# KiCad board FrontEnd_5G.kicad_pcb (continued)
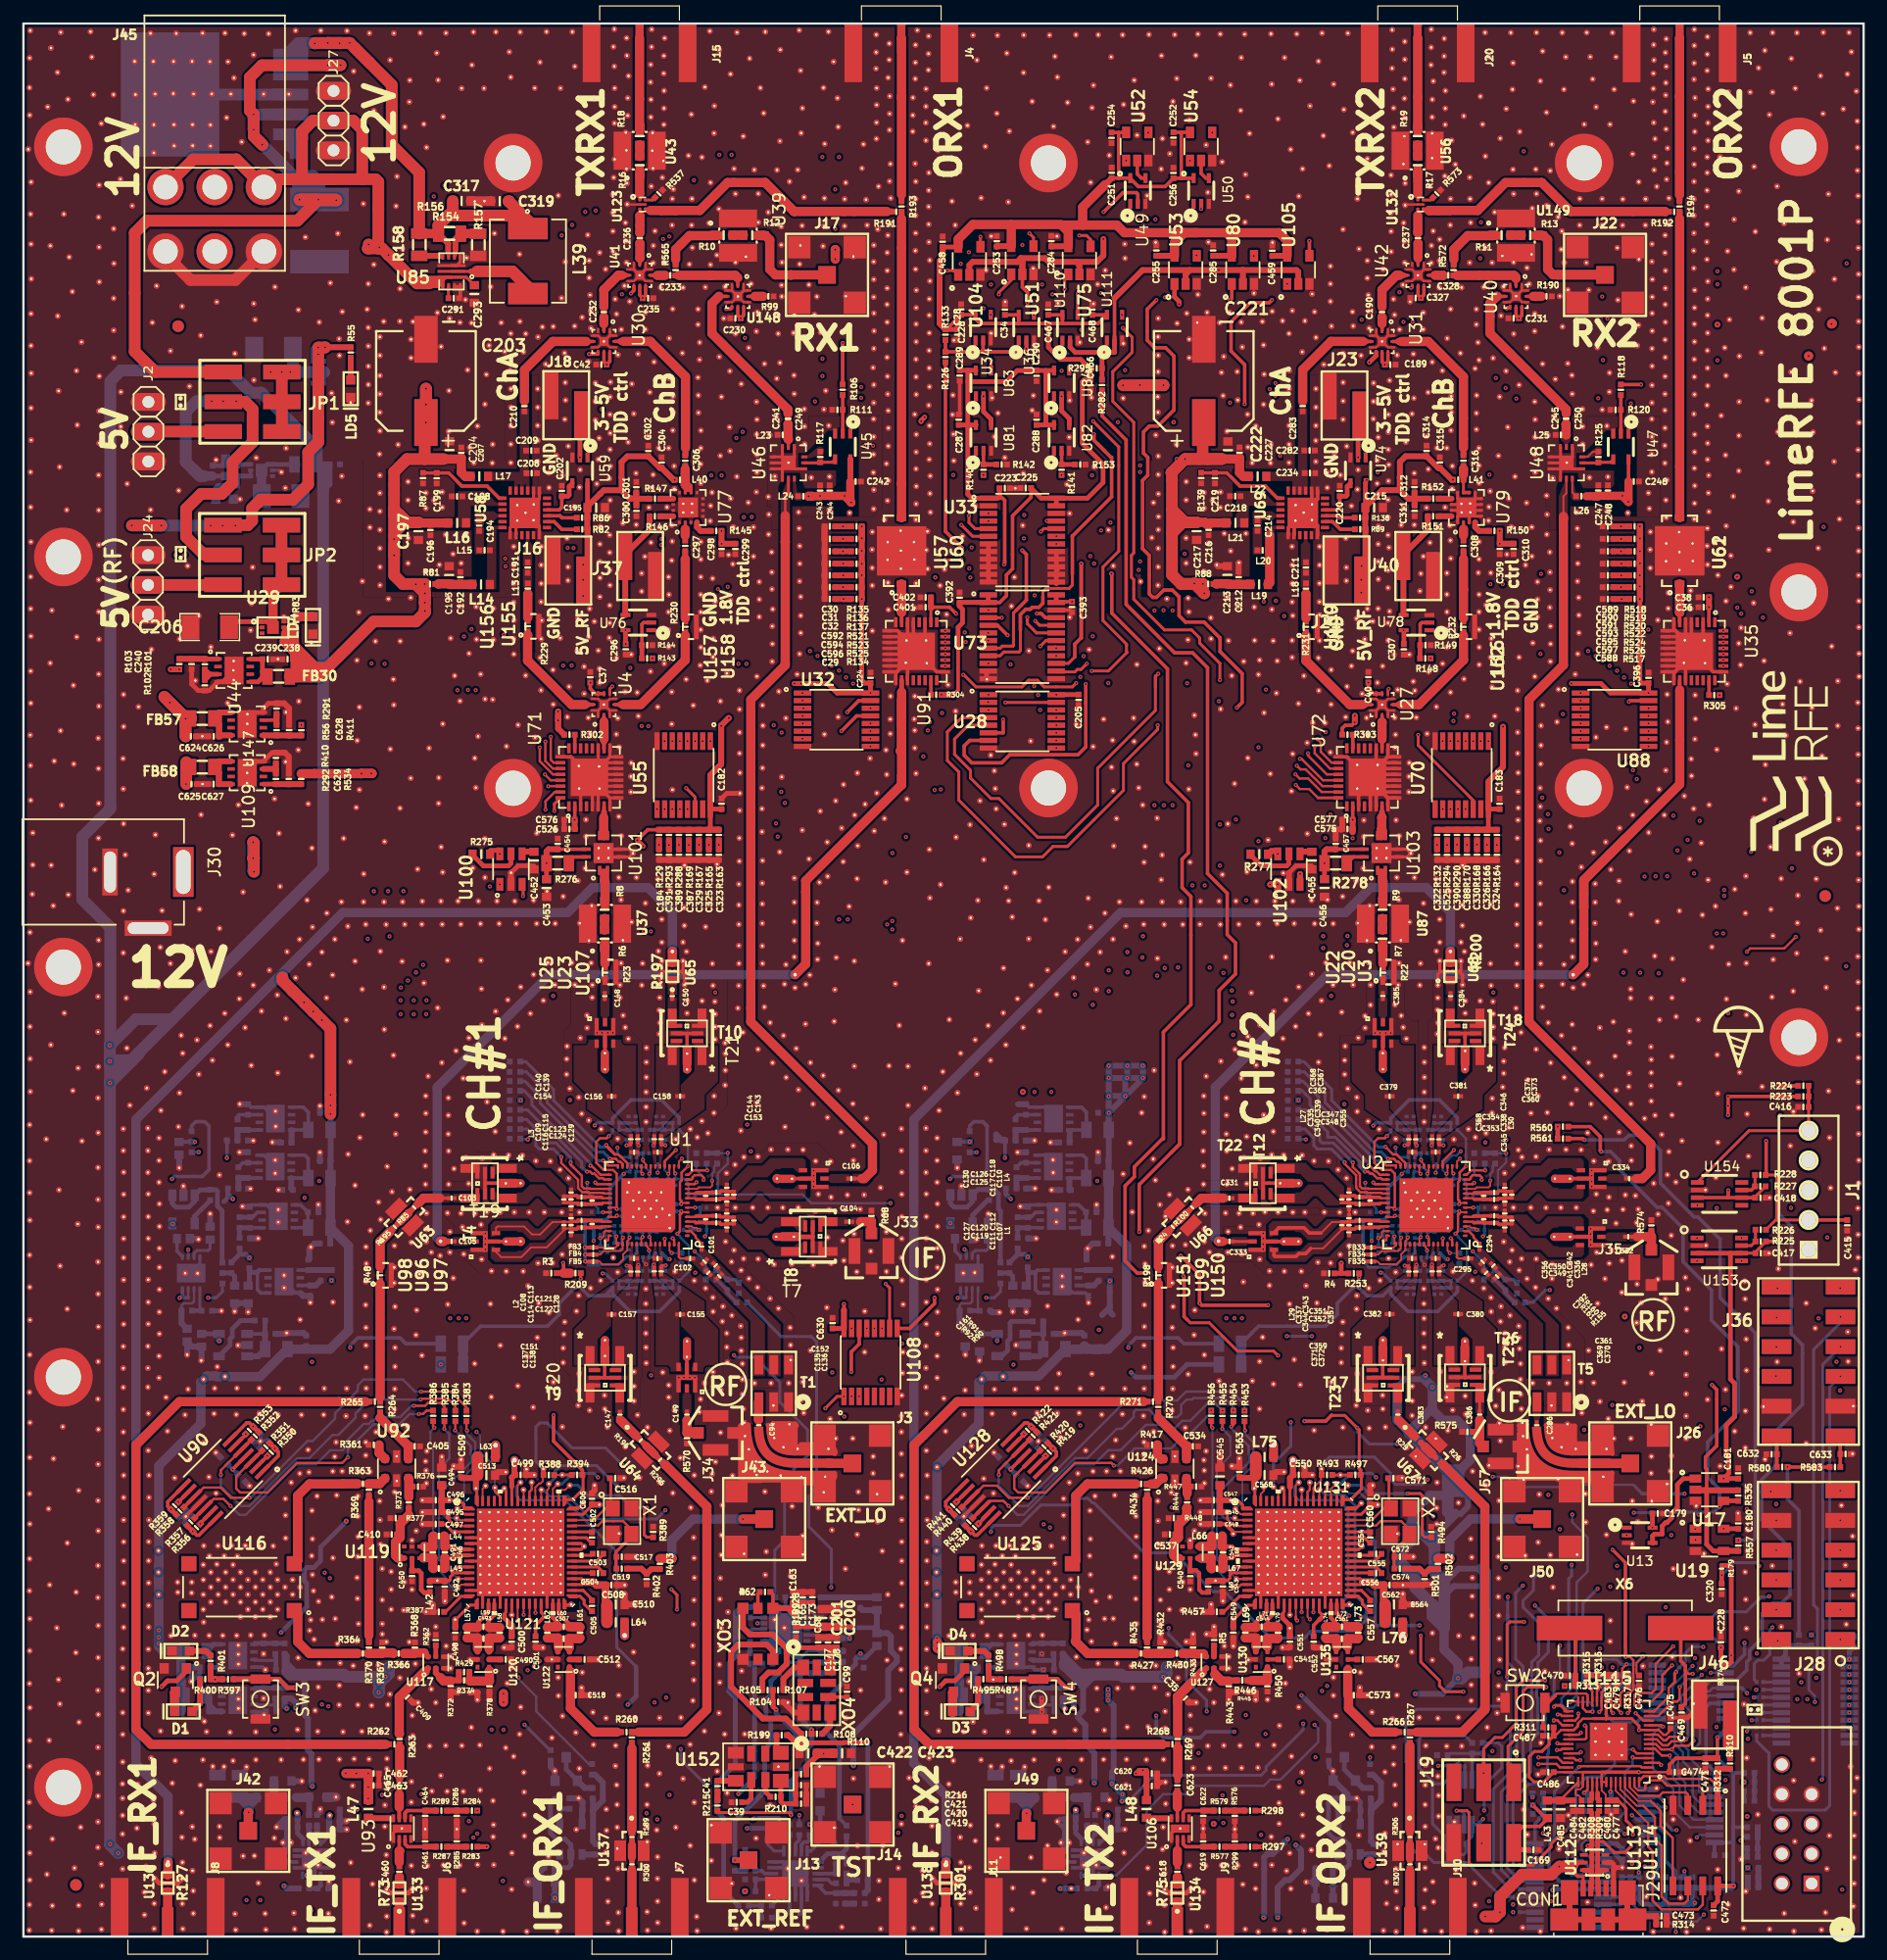
[diagram p0: board, top side]
## Routing (per net, layer and track width the routed paths; a pad name or vN(x,y) marks a point on that pad's centre or on a via; arc(x,y) is an arc through that point) (continued)
+1.25V_PLL_#1: length 67
  F.RO w0.3: v2(47.96,57.62) 47.97,57.61 48.39,57.61 ; v2(47.97,58.19) 47.98,58.2 48.39,58.2 ; v2(47.93,58.82) 47.94,58.81 48.39,58.81
  F.FR4 w0.25: v2(51.26,65.09) 51.88,65.09 52.4,64.57 54.04,64.57 54.16,64.69 v2(54.16,65.19)
  F.FR4 w0.5: 27.4,54.91 43.61,54.91 45,56.3 ; v2(47.96,57.62) 47.29,56.95 46.62,56.95 45.97,56.3 45,56.3 ; 45,56.3 44.13,56.3 42.85,57.58 39.85,57.58 39.22,56.95 38.18,56.95 37.89,57.24 33.14,57.24 32.32,56.42 30.73,56.42 30.54,56.61 28.16,56.61 27.67,56.12 26.19,56.12
  F.FR4 w0.79: 27.4,54.91 26.19,56.12 v2(26.32,55.99)
  B2.RO w0.15: v2(54.16,65.19) 54.19,65.23 FB6.1 ; v2(51.26,65.09) 51.46,65.29 FB15.2
  B2.RO w0.2: FB15.2 FB14.2
  B2.RO w0.25: v2(47.96,57.62) 48.26,57.32 50.8,57.32 51.53,58.05 52.05,58.05 52.37,58.37 FB10.2 52.38,59.08 FB9.2
  B2.RO w0.3: 47.96,58.82 47.96,60.92 48.19,61.15 49.72,61.15 50.11,61.54 50.11,63.92 51.26,65.07 v2(51.26,65.09) ; 47.96,58.82 v2(47.93,58.82) ; 47.96,58.82 v2(47.93,58.82) ; 47.96,58.82 v2(47.93,58.82) ; 47.96,58.82 47.96,58.2 ; v2(47.97,58.19) 47.96,58.2 ; 47.96,58.2 47.97,58.2 47.96,58.2 ; 47.96,58.2 v2(47.96,57.62)
+1.25V_PLL_#2: length 65.1
  F.RO w0.3: v2(114.36,58.82) 114.37,58.81 FB33.1 ; v2(114.4,58.19) 114.41,58.2 FB34.1 ; v2(114.39,57.62) 114.4,57.61 FB35.1
  F.FR4 w0.2: v2(117.7,65.09) 118.33,65.09 118.85,64.57 120.4,64.57 120.6,64.77 v2(120.6,65.19)
  F.FR4 w0.25: 95.37,54.91 94.8,55.48
  F.FR4 w0.5: 111.12,55.74 111.92,56.54 112.63,56.54 113.08,56.99 113.76,56.99 v2(114.39,57.62) ; 111.12,55.74 108.97,57.89 106.59,57.89 105.49,56.79 102.08,56.79 100.2,54.91 99.35,54.91 ; 111.12,55.74 110.29,54.91 99.35,54.91 ; 95.37,54.91 99.35,54.91
  F.FR4 w0.79: v2(92.78,55.95) 94.33,55.95 95.37,54.91
  B2.RO w0.15: v2(117.7,65.09) 117.9,65.29 118.23,65.29 ; v2(120.6,65.19) 120.64,65.23 FB36.1
  B2.RO w0.2: 118.23,65.88 118.23,65.29
  B2.RO w0.25: v2(114.39,57.62) 114.88,57.13 116.6,57.13 116.79,57.32 117.24,57.32 117.97,58.05 118.49,58.05 118.81,58.37 FB40.2 118.82,59.08 FB39.2
  B2.RO w0.3: 92.76,53.92 92.76,53.7 ; v2(117.7,65.09) 117.7,65.07 116.55,63.92 116.55,61.54 116.16,61.15 114.63,61.15 114.4,60.92 114.4,58.86 v2(114.36,58.82) 114.4,58.78 v2(114.4,58.19) 114.4,57.63 v2(114.39,57.62)
  B2.RO w0.5: 92.76,53.7 92.1,53.04 ; 93.02,53.06 92.76,53.32 R571.2
+1.33V_#1: length 39.4
  F.RO w0.3: v2(17.37,66.45) 17.37,66.47
  F.FR4 w0.3: 25.24,64.48 v2(25.25,64.49)
  F.FR4 w0.5: 25.24,64.48 19.62,64.48 17.65,66.45 v2(17.37,66.45)
  B.FR4 w0.3: 25.25,63.44 24.54,62.73 24.54,60.13 25.55,59.12 ; 25.25,63.44 26.08,62.61 26.08,59.65 25.55,59.12 ; 25.25,63.44 v2(25.25,64.49) ; 25.55,59.12 25.56,59.11 25.56,52.61 v2(27.91,50.26)
  B2.RO w0.3: v2(17.37,66.45) 17.38,66.46 R52.2 ; R93.2 32.65,50.6 32.16,51.09 28.55,51.09 27.91,50.45 v2(27.91,50.26)
  B2.RO w0.5: R52.2 17.35,67.97
+1.33V_#2: length 44
  F.RO w0.3: v2(91.84,51.78) 91.85,51.78 91.86,51.77
  F.FR4 w0.3: 91.68,64.48 v2(91.69,64.49) ; v2(91.84,51.78) 92.83,51.78 v2(94.35,50.26)
  F.FR4 w0.5: 91.68,64.48 86.06,64.48 84.09,66.45 v2(83.81,66.45)
  B.FR4 w0.3: 91.69,63.44 92.52,62.61 92.52,59.65 92,59.13 92,58.86 ; 91.69,63.44 90.98,62.73 90.98,60.14 92,59.12 ; 91.69,63.44 v2(91.69,64.49) ; 92,58.86 92,58.78 ; 92,58.86 92,58.77 92,59.12 ; 92,59.12 92,51.94 v2(91.84,51.78)
  B2.RO w0.3: v2(83.81,66.45) 83.82,66.46 R409.2 ; 102.08,50.6 99.09,50.6 98.6,51.09 94.99,51.09 94.35,50.45 v2(94.35,50.26)
  B2.RO w0.4: 83.07,67.98 83.06,67.97 83.06,67.99 ; R409.2 83.44,67.94 83.07,68.31
  B2.RO w0.5: 83.07,67.99 83.06,67.99 83.77,67.99 R409.2 83.77,67.96 83.56,67.96 83.06,68.46 ; 83.07,67.98 83.07,68.34
+3.3V_#1: length 154.6
  F.RO w0.25: v2(37.17,52.77) 37.16,52.77 ; R209.2 v2(47.59,56.14)
  F.FR4 w0.2: 52.88,47.5 51.14,47.5 50.93,47.29 46.46,47.29 40.98,52.77 39.39,52.77 ; 52.88,47.5 53.2,47.5 v2(53.6,47.9) ; 52.88,47.5 52.88,46.75 54.3,45.33 55.29,45.33 55.51,45.55 57.12,45.55 57.37,45.3 59.25,45.3 60.77,46.82 61.72,46.82 62.21,46.33 68.41,46.33 69.61,47.53 v2(73.28,47.53) ; 48.43,56.14 49.11,55.46 49.81,55.46 50.41,56.06 55.72,56.06 56.32,56.66 v2(57.36,56.66)
  F.FR4 w0.25: 39.09,52.77 39.39,52.77 ; 43.51,52.73 43.55,52.77
  F.FR4 w0.3: 43.51,52.73 43.51,52.58 ; 48.43,56.14 v2(47.59,56.14)
  F.FR4 w0.4: 45.47,54.7 43.51,52.73 ; 43.51,52.58 44.19,51.9 44.53,51.9 46.34,53.71 46.34,54.18
  F.FR4 w0.5: 43.55,52.77 v2(37.81,52.77) v2(37.17,52.77) v2(36.44,52.77) 28.92,52.77 28.25,53.44 22.55,53.44 19.29,56.7 v2(19.29,57.93) ; v2(47.59,56.14) 46.92,56.14 45.47,54.7 45.83,54.7 46.48,54.04 48.56,54.04 50.58,56.06 55.97,56.06 56.57,56.66 57.3,56.66
  B.FR4 w0.2: v2(60.14,66.88) 59.42,66.16 59.42,64.18 57.89,62.65 57.89,61.66 57.6,61.37 57.68,61.45 57.18,60.95 57.18,59.46 57.95,58.69 57.95,58.08 57.36,57.49 v2(57.36,56.66)
  B.FR4 w0.25: v2(73.28,47.53) 74.29,48.54 74.29,62.34 v2(74.04,62.59)
  B2.RO w0.2: v2(74.04,62.59) 67.27,62.59 66.53,63.33 59.29,63.33 ; 59.29,63.33 59.29,65.12 60.14,65.97 v2(60.14,66.88) 60.12,66.86 R211.2 ; 59.29,63.33 R1.2
  B2.RO w0.4: 18.46,58.23 R54.2 ; 18.46,58.23 18.99,58.23 v2(19.29,57.93) ; 18.46,58.23 R425.2 ; R207.2 R211.2
+3.3V_#2: length 85.5
  F.RO w0.25: R253.2 v2(114.05,56.24)
  F.FR4 w0.2: 114.7,56.24 115.52,55.42 116.1,55.42 116.72,56.04 122.84,56.04
  F.FR4 w0.4: 111.83,54.61 113.47,56.24 v2(114.05,56.24) 114.7,56.24 ; 111.83,54.61 110,52.77 ; 111.83,54.61 111.83,54.43 113.45,52.81 115.13,52.81 116.94,54.62 121.4,54.62 122.82,56.04 116.72,56.04 ; 122.84,56.04 123.54,56.74 v2(123.97,56.74)
  F.FR4 w0.5: 110,52.77 v2(104.05,52.77) v2(103.41,52.77) v2(102.72,52.77) 99.79,52.77 99.42,53.14 94.99,53.14 93.28,54.85 89.89,54.85 89.46,54.42 88.01,54.42 85.76,56.67 v2(85.76,58.01)
  B.FR4 w0.2: v2(126.6,66.85) 125.88,66.13 125.88,64.15 124.38,62.65 124.38,61.82 123.6,61.04 123.6,59.48 124.32,58.76 124.32,57.87 123.97,57.52 v2(123.97,56.74)
  B2.RO w0.2: R130.2 125.91,63.33 125.91,65.38 126.6,66.07 v2(126.6,66.85) 125.68,66.85 R255.2
  B2.RO w0.4: 84.9,58.23 85.54,58.23 85.8,57.97 ; 84.9,58.23 R365.2 ; 84.9,58.23 R412.2 ; R251.2 R255.2
+3.3V_CLKGEN_#1: length 104.8
  F.FR4 w0.25: 61.18,43.31 62.12,43.31 62.29,43.15 64.59,43.15 64.77,42.97 68.71,42.97 70.09,44.34 v2(70.09,44.39) ; 61.18,43.31 61.16,43.3 ; 61.18,43.31 60.55,43.31 59.94,43.93 54.63,43.93 53.46,45.09 52.21,45.09 51.56,44.45 49.55,44.45 49.38,44.28 48.02,44.28 47.51,44.78 46.64,44.78 43.59,47.83 19.73,47.83 v2(16.72,50.84)
  B.FR4 w0.25: 70.09,41.17 70.32,40.94 70.32,33.23 72.05,31.5 72.05,24.75 v2(71.47,24.17) ; 70.09,41.17 70.08,41.18 ; 70.09,41.17 v2(70.09,44.39) 69.06,45.42 v2(69.06,48.15)
  B2.RO w0.3: R201.1 69.68,10.07
  B2.RO w0.4: C66.1 15.22,51.43 16.69,51.43 ; FB29.1 71.92,23.84 C159.2 ; 71.05,23.7 71.19,23.84 C159.2 ; 71.05,23.7 71.07,23.7 71.48,24.11 ; 71.05,23.7 71.05,23.24 70.03,22.22 70.03,21.71 68.63,20.31 68.63,17.33 69.68,16.28 69.68,10.07 ; C159.2 71.48,24.11 ; v2(71.47,24.17) 71.47,24.12 71.48,24.11
  B2.RO w0.5: v2(16.72,50.84) 16.69,50.87 16.69,51.43
+3.3V_CLKGEN_#2: length 2.2
  B2.RO w0.3: 81.66,51.43 C614.1
  B2.RO w0.4: 83.13,51.43 81.66,51.43 ; U145.5 v2(83.15,50.84)
  B2.RO w0.5: 83.23,51.33 83.13,51.43
+3.3V_SC1905_#1: length 225.6
  F.RO w0.15: 46.01,39.4 46,39.39 R388.2 ; 41.93,40.66 42,40.59 C499.2
  F.RO w0.2: 43.74,26.58 43.75,26.58 43.73,26.56 ; C497.1 35.69,35.18
  F.RO w0.25: 41.7,38.39 41.7,37.18 U121.58 ; 46,39.39 46.01,39.4 R394.2 ; 36.87,27.06 36.92,27.06 38.15,28.29 38.71,28.29 U121.17 ; 41.7,27.45 41.7,28.4 U121.23 ; v2(44.44,27.43) 44.21,27.66 U121.28 ; C497.1 35.98,35.21 36.7,34.49 36.83,34.49 ; U121.5 36.84,34.54 36.83,34.55 36.83,34.56
  F.RO w0.3: v2(17.87,39.86) 17.87,39.89 U90.4 ; 43.75,26.58 44.44,27.27 v2(44.44,27.43) ; C501.1 43.73,26.56
  F.RO w0.4: v2(45.38,3.28) 45.39,3.27 ; 41.7,38.38 41.7,39.17
  F.RO w0.5: R401.2 R400.2 16.37,21.97 ; 16.37,21.97 17.01,21.97 R397.2 ; 16.37,21.97 v2(16.37,21.93) ; 16.37,21.97 v2(16.37,21.93) ; 16.37,21.97 v2(16.37,21.93)
  F.RO w0.51: 41.7,39.17 41.93,39.4 C499.2 41.93,39.47 41.93,40.66 ; 36.87,27.06 C498.1
  F.FR4 w0.15: 41.93,40.66 43.27,40.66
  F.FR4 w0.3: 44.31,27.85 44.31,27.56 v2(44.44,27.43) 44.76,27.11 45.4,27.11
  F.FR4 w0.4: 26.37,25.82 25.88,25.33 25.88,24.22 ; 29.08,27.57 29.31,27.34 31.07,27.34 31.33,27.08 36.85,27.08 36.87,27.06 ; 30.87,30.34 31.58,30.34 33.12,31.88 37.96,31.88 38.01,31.93 ; 44.31,27.85 44.31,28.39 44.11,28.59 41.9,28.59 41.7,28.39 41.7,27.45 ; 26.16,10.34 26.16,8.92 27.43,7.65 37.61,7.65 v2(38.75,8.79) ; 46.02,39.39 46.01,39.4 46.8,39.4 48.51,37.69 49.69,37.69 50.34,37.04 50.34,36.82 49.65,36.13 49.65,28.15 48.61,27.11 45.4,27.11 ; 23.37,10.55 23.37,10.63
  F.FR4 w0.46: 41.67,27.46 41.69,27.46
  F.FR4 w0.5: 41.67,27.46 40.43,27.46 40.04,27.07 36.86,27.07 ; v2(16.37,21.93) 16.41,21.97 20.5,21.97 21.91,20.56 21.91,20.03 v2(22.48,19.46) ; 26.16,10.34 25.62,9.8 24.12,9.8 23.37,10.55 ; 25.62,19.81 26.04,20.23 v2(26.04,19.65) 25.78,19.65 25.62,19.81 ; 25.62,19.81 v2(25.49,19.81) ; 27.01,26.09 27.83,26.92 27.83,27.31 ; 37.99,34.58 37.99,34.49 36.83,34.49 ; 26.56,30.2 27.04,29.72 26.56,30.2 ; 26.56,30.2 25.73,31.03 v2(25.73,31.05) 26.18,30.6 v2(26.18,30.58) 27.23,29.53
  F.FR4 w0.51: 46,39.4 46,40.04 45.38,40.66 39.01,40.66 37.5,39.15 37.5,37.36 38.01,36.85 38.01,34.58 ; 38.01,34.58 38.01,27.07 ; 38.01,34.58 37.99,34.58
  F.FR4 w0.79: 25.88,24.22 25.9,24.22 25.75,24.37 ; v2(22.48,19.46) 23.19,19.46 v2(23.25,19.52) 24.34,20.61 24.34,23.67 25.04,24.37 25.75,24.37 ; 25.75,24.37 25.88,24.24 25.88,25.33 26.64,26.09 27.6,26.09 27.76,26.25 27.76,26.73 27.7,26.78 27.76,26.84 27.76,27.23 28.13,27.6 ; 30.15,30.34 29.51,29.7 29.51,27.64 29.55,27.6 29.97,27.6 28.6,27.6 ; 30.15,30.34 29.55,29.74 27.44,29.74 27.23,29.53 ; 30.15,30.34 30.87,30.34 ; 28.6,27.6 28.59,27.59 ; 28.6,27.6 28.13,27.6 ; 28.13,27.6 27.23,28.5 ; 26.04,20.23 26.04,21.97 26.11,22.04 26.11,24.01 ; 27.23,28.5 27.61,28.12 27.61,26.69 ; 27.23,28.5 27.23,29.53 ; 27.23,29.53 27.04,29.72
  F.FR4 w1: 25.88,24.24 26.11,24.01
  B.FR4 w0.3: v2(17.87,39.86) 17.7,39.69 17.7,38.13 18.15,37.68 18.17,37.68
  B.FR4 w0.4: v2(38.75,8.79) 37.96,8 37.96,4.85 39.53,3.28 v2(45.38,3.28) ; 20.92,34.61 22.54,32.99
  B.FR4 w0.5: 18.17,37.68 20.92,34.93 20.92,34.61 ; 26,19.65 25.65,19.65 v2(25.49,19.81) 25.53,19.81 ; 26,19.65 v2(26.04,19.65) ; 26,19.65 v2(26.04,19.65) ; v2(38.42,8.45) 38.75,8.78 v2(38.75,8.79) ; v2(26.04,19.65) 25.88,19.81 25.53,19.81 ; v2(26.04,19.65) 26.04,19.34 ; 25.53,19.81 26.04,19.3 26.04,17.86 26.04,17.86 ; 23.73,31.72 25.04,31.72 v2(26.18,30.58) ; 23.73,31.72 22.54,32.91 22.54,32.99 ; 23.73,31.72 25.06,31.72 v2(25.73,31.05) ; v2(26.18,30.58) 26.18,30.6 v2(25.73,31.05) ; v2(26.18,30.58) 25.73,31.03 v2(25.73,31.05)
  B.FR4 w0.79: 26.04,16.67 26.09,16.62 26.09,13.69 27.81,11.97 27.81,11.42 26.73,10.34 26.16,10.34 ; 26.04,16.67 v2(26.04,19.65) ; 26.04,16.67 26.04,19.34
  B2.RO w0.3: C398.2 17.46,40.27 v2(17.87,39.86) 17.89,39.86 C397.2 ; IC1.1 23.88,8.33 23.87,8.34 23.89,8.34 ; IC1.4 25.41,8.05 25.56,8.05 26.1,8.59
  B2.RO w0.4: 23.89,8.34 23.87,8.34 23.41,8.8 C522.1 C520.1 ; R379.1 45.37,11.8 45,11.43 45,8.84 45.52,8.32 46.25,8.32 46.75,7.82 U118.2 46.76,7 46.76,6.11 46.53,5.88 C408.2 ; C523.2 26.1,8.59
  B2.RO w0.5: C520.1 23.41,10.51 23.37,10.55 ; v2(22.48,19.46) 22.31,19.63 R46.2 22.89,20.32 23.25,19.96 v2(23.25,19.52) ; 26.16,10.34 26.1,10.28 C521.2 C523.2 ; v2(45.38,3.28) C407.2 45.37,4.65 C408.2
+3.3V_SC1905_#2: length 223.3
  F.RO w0.15: 108.4,40.67 108.4,39.35 108.15,39.1 U131.58 ; U131.5 103.29,34.54
  F.RO w0.25: 108.14,38.39 108.15,38.38 U131.58 ; 103.31,27.08 103.37,27.08 104.57,28.28 105.13,28.28 105.15,28.3 U131.17 ; R497.2 113.27,39.39 111.77,39.39 R493.2 ; 108.14,27.45 108.14,28.4 U131.23 ; v2(111.03,27.41) 110.95,27.41 110.65,27.71 U131.28 ; v2(92.62,21.09) v2(92.62,21.09) ; v2(93.33,12.68) 93.33,12.67
  F.RO w0.3: 110.68,27.07 110.17,26.56 C552.1 ; C548.1 102.6,35.21 102.68,35.13 102.7,35.13 103,34.83 ; 103,34.83 103.3,34.53 103.3,34.38 ; 103,34.83 103.29,34.54 ; U128.4 84.32,39.9
  F.RO w0.4: 84.32,39.9 v2(84.32,39.87) ; 110.68,27.07 110.69,27.07 v2(111.03,27.41)
  F.RO w0.5: v2(111.82,4.65) 111.83,4.65 ; v2(101.64,9.62) 101.65,9.62 ; R487.2 82.84,21.96 82.81,21.93 82.77,21.97 R495.2 R498.2
  F.RO w0.51: 108.4,40.68 108.4,39.45 C550.2 108.41,39.4 108.15,39.14 108.15,38.38 ; 103.31,27.08 C549.1
  F.FR4 w0.2: v2(93.86,12.13) 93.46,12.53
  F.FR4 w0.3: 103.29,34.31 103.73,33.87 ; 103.73,33.87 104.46,33.87 ; 103.73,33.87 103.3,34.3 103.3,34.38
  F.FR4 w0.4: 90.78,23.52 94.6,27.34 97.51,27.34 97.77,27.08 103.31,27.08 ; 97.29,30.34 98.02,30.34 99.56,31.88 104.46,31.88 ; 108.14,27.45 108.14,28.32 108.31,28.49 110.83,28.49 111.11,28.22 111.11,27.49 v2(111.03,27.41) 111.43,27.41 113.36,29.34 115.26,29.34 116.09,30.17 116.09,36.13 116.78,36.82 116.78,37.04 116.13,37.69 114.95,37.69 113.25,39.39 112.46,39.39 ; 92.32,24.38 92.32,24.46 ; 89.85,10.81 89.98,10.81 90.39,11.22 90.39,11.23 92.23,13.06 92.23,13.06 92.57,13.06 92.96,13.05 v2(93.33,12.68) 93.46,12.53 v2(93.86,12.13)
  F.FR4 w0.46: 108.14,27.45 108.14,27.46
  F.FR4 w0.5: 88.98,19.52 88.92,19.46 88.35,20.03 88.35,20.57 88.34,20.57 86.94,21.97 83.39,21.97 ; 83.39,21.97 82.85,21.97 82.81,21.93 ; 83.39,21.97 83.38,21.97 ; v2(93.81,11.56) 95.94,11.56 97.47,10.03 101.17,10.03 101.58,9.62 v2(101.64,9.62) ; 92.89,30.31 93.52,29.69 92.89,30.31 ; 92.89,30.31 92.24,30.96 92.24,34.41 91.74,34.91 v2(87.66,34.91) 87.39,34.91 v2(87.12,35.18) ; v2(93.33,12.68) 93.32,12.68 v2(92.95,13.05) 92.96,13.03 v2(93.33,12.68) ; v2(93.33,12.68) 93.33,12.66 v2(93.86,12.13) 93.86,11.61 ; 108.4,40.67 108.42,40.65 ; 92.32,24.38 92.36,24.38 92.62,24.12 v2(92.62,21.09) v2(92.62,20.6) v2(92.62,20.16)
  F.FR4 w0.51: 104.46,27.08 106.49,27.08 106.86,27.45 108.14,27.45 ; 104.46,27.08 103.31,27.08 ; 104.46,27.08 104.46,36.85 103.95,37.36 103.95,39.15 105.47,40.67 108.4,40.67
  F.FR4 w0.79: 94.2,27.44 94.2,26.26 94.03,26.09 92.99,26.09 92.32,25.42 92.32,24.46 92.23,24.37 91.48,24.37 90.78,23.67 90.78,20.61 89.69,19.52 88.98,19.52 ; 94.2,27.44 94.36,27.6 95.77,27.6 ; 94.2,27.44 94.2,27.62 93.87,27.95 93.87,29.25 ; 95.77,27.6 96.41,27.6 ; 95.77,27.6 95.95,27.78 95.95,29.7 96.59,30.34 ; 96.59,30.34 95.97,29.72 94.42,29.72 94.4,29.7 94.32,29.7 93.87,29.25 ; 96.59,30.34 97.29,30.34 ; 93.87,29.25 93.87,29.33 93.52,29.69
  B.FR4 w0.3: v2(84.32,39.87) 84.14,39.69 84.14,38.15 84.61,37.68
  B.FR4 w0.5: 87.39,34.91 v2(87.12,35.18) ; 87.39,34.91 v2(87.66,34.91) 87.39,34.91 ; 87.39,34.91 v2(87.12,35.18) ; v2(87.12,35.18) 86.65,35.65 86.64,35.65 84.61,37.68 ; v2(101.64,9.62) 101.64,3.19 101.79,3.04 110.21,3.04 v2(111.82,4.65) ; 108.4,40.67 111.83,40.67 112.46,40.04 112.46,39.39 ; v2(93.81,11.56) 92.6,10.35 92.6,10.34 93.86,11.6 v2(93.86,12.13)
  B2.RO w0.3: 89.91,10.1 89.9,10.09 ; 89.95,9.4 89.9,9.35 ; 92.54,8.59 91.97,8.02 IC2.4 ; 89.84,8.83 90.33,8.34 IC2.1 ; U126.2 113.18,6.99
  B2.RO w0.4: 111.82,5.89 C533.2 112.97,5.88 113.2,6.11 U126.2 113.2,7.81 112.69,8.32 111.96,8.32 111.44,8.84 111.44,11.44 111.8,11.8 R436.1 ; 111.81,4.66 v2(111.82,4.65) ; C566.2 92.54,10.28 92.6,10.34 ; 90.33,8.34 89.85,8.82 C569.1 C565.1 89.85,10.51 89.81,10.55 ; C527.2 v2(84.32,39.87) 84.74,39.45 C529.2 ; C570.2 92.54,8.59
  B2.RO w0.5: v2(92.62,21.09) v2(92.62,20.6) v2(92.62,20.16) 93.09,19.69 93.09,14.12 92.95,13.99 v2(92.95,13.05) 92.96,13.05 v2(93.33,12.68) 93.44,12.53 93.86,12.11 93.86,11.61 v2(93.81,11.56) ; 88.92,19.46 88.75,19.63 R347.2 89.34,20.32 89.69,19.97 89.69,19.52 ; 111.81,4.66 C533.2 111.83,5.9 ; C570.2 C566.2 ; C528.2 v2(111.82,4.65) ; C565.1 89.85,10.81
+3V_RF: length 617.1
  F.RO w0.2: C242.2 70.6,124.16
  F.RO w0.3: C246.2 137.06,124.18 137.06,126.06
  F.RO w0.4: v1(76.96,129.68) 76.65,129.37 76.65,129.3 76.65,129.32 v1(76.66,129.32)
  F.RO w0.5: v1(67.04,122.92) 67.07,122.95 C244.1 ; C242.2 U45.5 ; v1(13.31,108.15) v1(12.57,108.15)
  F.RO w0.7: 134.44,122.93 C247.1 ; 134.44,122.93 134.12,122.93 ; 134.44,122.93 C247.1 ; 134.44,122.93 L26.1 ; C247.1 C248.1 v1(136.53,122.96) v1(137.04,122.45) 137.06,122.43 C246.2 ; v1(67.04,122.92) 68,122.92 v1(68.03,122.95) C244.1 v1(70.12,122.95) v1(70.69,122.38) 70.61,122.46 C242.2
  F.RO w0.79: 67.33,122.92 v1(67.04,122.92)
  F.FR4 w0.3: 50.04,118.87 49.46,118.29 ; 49.46,118.29 49.45,118.28 ; 49.46,118.29 49.33,118.16 47.99,118.16 47.64,118.51 ; 49.46,119.39 49.95,118.9 50.04,118.9 ; 49.46,119.39 49.45,119.39 ; 49.46,119.39 49.42,119.43 48.56,119.43 47.64,118.51 ; 47.64,118.51 46.44,118.51 ; 49.7,125.88 49.7,125.87 49.17,125.34 ; 49.7,124.95 50.58,124.95 50.62,124.91 ; 49.7,124.95 49.69,124.94 ; 49.7,124.95 49.68,124.93 49.2,124.93 49.2,124.92 ; 49.82,126.2 49.7,126.08
  F.FR4 w0.4: 76.64,129.33 76.64,128.75 76.85,128.54 ; 76.64,129.33 76.64,129.29 76.65,129.3 ; 76.64,129.33 76.64,129.36 v1(76.96,129.68) 76.96,129.61 76.65,129.3 ; 76.65,129.3 76.25,129.3 76.15,129.2 ; 49.7,126.08 49.7,125.88 ; 50.04,118.9 50.04,118.87
  F.FR4 w0.5: 127.24,121.44 126.98,121.44 125.75,122.67 124.91,122.67 124.44,123.14 122.73,123.14 122.29,122.7 118.49,122.7 117.75,123.44 116.04,123.44 115.43,122.83 110.9,122.83 110.48,123.25 104.5,123.25 102.67,125.08 98.48,125.08 97.18,123.78 96.19,123.78 94.82,122.41 83.7,122.41 82.72,123.39 79.37,123.39 78.39,122.41 77.03,122.41 76.44,123 75.99,123 75.65,123.34 73.43,123.34 72.72,122.63 70.95,122.63 v1(70.69,122.38) v1(70.12,122.95) ; 127.24,121.44 127.24,122.12 127.68,122.56 127.68,123.26 ; 127.24,121.44 128.75,121.44 129.54,122.23 131.93,122.23 132.15,122.45 137.04,122.45 v1(137.04,122.45) v1(136.53,122.96) 135.85,123.64 128.35,123.64 128.35,125.32 126.59,127.08 126.03,127.08 ; 70.53,127.69 70.12,127.28 ; 70.53,127.69 71.15,127.69 ; 70.53,127.69 70.53,127.53 70.68,127.38 71.04,127.38 71.04,127.13 ; 70.12,127.28 v1(70.12,122.95) ; 70.12,127.28 70.27,127.13 71.04,127.13 ; v1(70.12,122.95) v1(68.03,122.95) ; 61.49,121.15 62.19,121.15 63.18,122.14 64.4,122.14 65.18,122.92 v1(67.04,122.92) ; 52.09,108.27 53.11,107.25 55.54,107.25 56.35,106.44 57.5,106.44 ; 52.09,108.27 51.4,108.27 ; 52.08,108.27 v1(51.82,108.27) 51.4,108.27 ; 57.5,106.44 57.43,106.44 ; 57.5,106.44 60.08,106.44 ; 60.08,106.44 61.74,108.1 ; 60.08,106.44 61.06,107.42 ; 61.74,108.1 61.06,107.42 ; 61.74,108.1 v1(61.74,108.62) v1(61.06,108.62) ; 61.06,107.42 v1(61.06,108.62) ; 125.42,127.03 124.61,126.22 116.28,126.22 114.46,128.05 ; 125.42,127.03 125.42,127.62 125.26,127.78 ; 125.42,127.03 125.47,127.08 126.03,127.08 ; 126.03,127.08 126.02,127.09 ; 61.41,108.2 61.06,108.55 v1(61.06,108.62) ; 47.65,109.03 49.53,109.03 50.29,108.27 51.4,108.27 ; 47.65,109.03 47.36,109.03 v1(46.81,108.48) ; 47.65,109.03 47.1,109.03 ; 45.27,109.03 43.85,107.61 43.85,107.62 42.59,106.36 38.34,106.36 ; 45.27,109.03 45.98,109.03 ; 45.27,109.03 45.53,109.03 v1(46.09,108.47) ; 55.01,119.8 55.67,119.8 55.73,119.86 56.72,119.86 58.25,121.39 58.25,121.46 59.82,121.46 60.14,121.14 v1(61.52,121.14) ; 55.01,119.8 54.51,119.3 ; 55.01,119.8 55.02,119.8 54.46,119.24 ; 54.51,119.3 54.46,119.25 ; 54.51,119.3 54.46,119.25 ; 54.46,119.25 v1(54.46,118.77) ; 54.46,119.24 v1(54.49,119.27) ; 54.46,119.24 54.37,119.24 53.86,119.75 52.3,119.75 51.45,118.9 50.04,118.9 50.03,118.89 ; 47.64,118.51 46.85,118.51 ; 47.64,118.51 46.98,118.51 ; 47.64,118.51 46.98,118.51 ; 47.64,118.51 47.67,118.49 ; 46.85,118.51 46.16,118.51 ; 46.85,118.51 46.44,118.51 ; 46.16,118.51 46.14,118.49 ; 46.16,118.51 46.46,118.51 v1(46.47,118.52) 46.49,118.5 v1(46.97,118.5) ; 46.16,118.51 45.47,117.82 41.35,117.82 ; 41.35,117.82 41.14,117.61 41.35,117.82 ; 37.01,106.36 37.04,106.39 37.94,106.39 ; 37.01,106.36 17.29,106.36 15.5,108.15 v1(13.31,108.15) v1(12.57,108.15) ; 37.01,106.36 38.34,106.36 ; 37.94,106.39 v1(37.96,106.39) 37.94,106.37 v1(37.06,106.37) ; 37.94,106.39 38,106.39 ; 38.34,106.36 38.31,106.39 38,106.39 ; v1(41.17,116.94) 41.14,116.97 v1(41.14,117.6) ; 38,106.39 38.02,106.37 v1(38.62,106.37) ; 46.98,118.51 v1(46.97,118.5) ; 46.98,118.51 v1(46.97,118.5) ; 45.98,109.03 45.98,109.04 46.08,109.04 46.09,109.03 v1(46.09,108.47) ; 45.98,109.03 46.34,109.03 ; 47.1,109.03 46.81,108.74 v1(46.81,108.48) ; 47.1,109.03 46.34,109.03 ; 46.34,109.03 46.81,108.56 v1(46.81,108.48) ; v1(46.81,108.48) 46.8,108.47 v1(46.09,108.47) ; 59.64,127.74 60.73,127.74 61.81,128.82 63.2,128.82 63.27,128.89 64.92,128.89 65.08,129.05 65.08,129.77 66.56,131.25 67.21,131.25 67.45,131.01 v1(67.59,131.01) ; 59.64,127.74 59.66,127.74 ; 59.64,127.74 58.21,127.74 ; 58.21,127.74 58.16,127.79 ; 58.21,127.74 57.27,127.74 55.73,126.2 51.92,126.2 ; 50.58,124.91 50.62,124.91 51.91,126.2 51.92,126.2 ; 51.92,126.2 49.82,126.2 49.93,126.2 49.9,126.17 49.9,126.16 ; 49.2,124.93 49.2,125.31 49.17,125.34 ; 46.36,123.64 47.16,124.44 48.27,124.44 48.76,124.93 49.3,124.93 ; 38.47,123.07 38.47,123.15 ; 18.83,118.88 17.85,117.9 13.05,117.9 ; 12.99,117.9 v1(13.75,117.9) 12.99,117.9 ; 12.99,117.9 v1(13,117.9) ; 114.46,128.05 114.21,128.29 109.53,128.29 109.5,128.26 104.53,128.26 103.86,127.59 99.72,127.59 99.05,128.26 98.1,128.26 97.12,127.28 79.36,127.28 78.5,128.14 77.25,128.14 76.61,128.78 76.57,128.78 76.15,129.2 74.53,129.2 74.3,129.43 73.6,129.43 72.88,128.71 72.21,128.71 71.19,127.69 71.15,127.69 ; 114.46,128.05 114.8,128.05 115.77,129.02 119.81,129.02 120.11,129.32 122.65,129.32 122.67,129.3 125.41,129.3 125.65,129.54 128.05,129.54 128.7,130.19 129.76,130.19 130.25,130.68 132.32,130.68 132.92,131.28 v1(134.47,131.28) 134.78,130.97 135.67,130.97 135.8,130.84 ; 125.75,127.36 125.26,127.85 125.26,127.95 ; 125.75,127.36 125.75,127.67 125.48,127.94 125.48,128.34 ; 125.75,127.36 126.02,127.09 ; 126.02,127.09 126.02,127.8 125.48,128.34 ; 125.48,128.34 125.26,128.56 ; 135.8,130.84 v1(137.26,130.84) 135.8,130.84 ; 71.04,127.13 72.58,127.13 ; 72.58,127.13 72.45,127.13 v1(72.55,127.23) v1(71.81,127.23) 71.91,127.13 71.86,127.13 ; 72.58,127.13 71.86,127.13 ; 71.86,127.13 71.71,127.13 71.15,127.69 ; 44.15,123.23 43.99,123.07 ; 33.36,125.39 33.21,125.54
  F.FR4 w0.79: v1(67.04,122.92) 67.07,122.95 v1(68.03,122.95) ; 37.62,112.23 29.03,112.23 25.81,109.01 24.19,109.01 23.1,110.1 18.07,110.1 17.08,111.09 15.73,111.09 14.44,109.8 13.33,109.8 ; 13.33,109.8 12.64,109.8 12.64,108.21 v1(12.57,108.15) ; 13.33,109.8 13.33,108.16 v1(13.31,108.15) ; 44.15,123.23 44.6,122.78 45.5,122.78 46.36,123.64 ; 43.99,123.07 38.47,123.07 ; 38.47,123.15 36.23,125.39 33.36,125.39 ; 33.21,125.54 29.94,125.54 27.77,123.37 25.97,123.37 21.48,118.88 18.83,118.88 ; 85.89,122.41 85.89,123.63 86.86,124.6 86.86,127.28 ; 127.68,123.02 127.68,123.26 128.06,123.64 128.35,123.64 ; 125.26,127.78 125.26,129.3 ; 131.67,123.64 131.67,122.35 131.55,122.23 ; 137.23,130.84 135.8,130.84
  F.FR4 w1: 92.88,122.41 93.23,122.76 93.23,127.28 ; 74.48,123.34 75.16,124.02 75.16,129.2 ; 24.78,122.18 26.17,120.79 26.17,112.85 27.91,111.11 ; v1(37.62,110.95) v1(38.26,111.59) 37.62,112.23
  B.FR4 w0.4: 76.65,129.3 76.64,129.3 v1(76.66,129.32) 76.94,129.6 76.94,129.7 v1(76.96,129.68)
  B.FR4 w0.5: v1(70.69,122.38) 70.69,122.38 ; v1(70.12,122.95) 70.12,122.95 ; 137.04,122.45 v1(137.04,122.45) 137.07,122.42 ; v1(136.53,122.96) 136.53,122.95 ; v1(136.53,122.96) 137.07,122.42 ; v1(136.53,122.96) 136.53,122.97 135.08,122.97 134.53,123.52 134.53,128.46 133.74,129.25 133.74,130.55 v1(134.47,131.28) ; v1(62.19,121.16) 62.17,121.14 v1(61.52,121.14) 61.49,121.11 61.49,117.47 61.74,117.22 61.74,109.63 ; 61.74,109.63 61.74,109.3 v1(61.06,108.62) v1(61.74,108.62) 61.74,109.63 ; v1(54.46,118.77) 54.01,118.32 54.01,113.15 52.64,111.78 52.64,109.09 v1(51.82,108.27) ; v1(54.46,118.77) 54.46,119.28 ; v1(54.46,118.77) 54.46,119.28 ; v1(54.49,119.27) 54.46,119.24 54.46,119.28 ; v1(41.17,116.94) 41.17,113.05 41.14,113.05 ; v1(41.17,116.94) 41.15,116.96 41.15,117.56 v1(41.14,117.6) ; v1(41.17,116.94) 41.14,116.91 40.31,116.91 39.41,116.01 ; v1(41.17,116.94) 41.14,116.97 v1(41.14,117.6) ; 38.73,112.06 v1(38.26,111.59) v1(37.62,110.95) 37.24,110.57 37.24,108.63 37.96,107.91 v1(37.96,106.39) ; v1(37.96,106.39) 38.6,106.39 v1(38.62,106.37) 37.98,106.37 v1(37.96,106.39) ; v1(37.96,106.39) 37.08,106.39 v1(37.06,106.37) 37.94,106.37 v1(37.96,106.39) ; v1(41.14,117.6) 41.14,117.61 ; v1(41.14,117.6) 40.92,117.82 39.16,117.82 39.16,116.26 39.41,116.01 ; 46.95,118.52 v1(46.47,118.52) ; 46.95,118.52 46.96,118.51 ; 46.95,118.52 v1(46.47,118.52) ; 46.95,118.52 46.96,118.51 ; v1(46.47,118.52) 46.43,118.52 46.44,118.51 ; v1(46.47,118.52) 46.46,118.51 ; v1(46.47,118.52) 46.46,118.51 ; 46.46,118.51 46.46,117.99 ; 46.46,118.51 46.46,117.99 ; 46.46,117.99 45.77,117.3 45.77,114.33 46.39,113.71 46.07,113.39 46.07,112.44 45.16,111.53 45.16,109.61 46.09,108.68 v1(46.09,108.47) 46.8,108.47 v1(46.81,108.48) ; 46.46,117.99 v1(46.97,118.5) ; 46.46,117.99 v1(46.97,118.5) ; 46.96,118.51 v1(46.97,118.5) ; 39.41,116.01 39.41,112.58 38.89,112.06 ; v1(67.59,131.01) 68.95,131.01 69.73,130.23 72.93,130.23 73.73,131.03 75.95,131.03 76.88,130.1 76.88,129.76 76.94,129.7 ; 13.7,117.9 v1(13.75,117.9) ; 13.7,117.9 v1(13,117.9) 13.7,117.9 ; 12.82,108.47 12.57,108.22 v1(12.57,108.15) ; 136.53,126.51 136.28,126.76 136.28,130.09 135.09,131.28 v1(134.47,131.28) ; v1(134.47,131.28) 134.71,131.04 135.8,131.04 136.61,130.23 136.61,130.13 ; 137.07,122.42 137.07,126.55 136.61,127.01 136.61,130.13 ; 136.61,130.13 136.61,130.2 ; 136.61,130.13 136.61,130.2 ; 136.61,130.2 137.36,130.95 ; 136.61,130.2 137.36,130.95 ; 137.36,130.95 137.25,130.84 v1(137.26,130.84) ; v1(61.42,128.42) 61.83,128.83 62.89,128.83 62.92,128.86 64.74,128.86 65.43,128.17 67.34,128.17 68.28,127.23 v1(71.81,127.23) ; v1(61.42,128.42) 60.89,127.89 v1(60.88,127.89) 61.41,128.42 v1(61.42,128.42) ; v1(71.81,127.23) v1(72.55,127.23) ; v1(71.81,127.23) v1(72.55,127.23) ; v1(71.81,127.23) v1(72.55,127.23) ; v1(13.31,108.15) 13.37,108.15 v1(13.31,108.15)
  B.FR4 w0.79: v1(67.04,122.92) 67.04,122.92 ; v1(68.03,122.95) 68.04,122.95 ; 41.14,113.05 40.15,112.06 38.73,112.06 ; 12.57,111.64 13,112.07 v1(13,117.9) ; 12.57,111.64 12.57,109.85 ; 12.57,111.64 12.57,109.46 13.31,108.72 13.31,108.15 ; 12.57,109.85 12.57,108.72 ; 12.57,109.85 12.57,108.89 13.31,108.15 ; 12.57,108.72 12.82,108.47 ; 12.57,108.72 v1(12.57,108.15) v1(13.31,108.15) 13.31,108.15 ; 136.53,122.97 136.53,126.51 ; 136.61,127.01 136.53,126.93 136.53,127.1 ; 136.53,127.1 v1(136.53,122.96) ; 136.53,127.1 136.53,127.09 137.04,126.58 v1(137.04,122.45) v1(136.53,122.96) ; v1(136.53,122.96) 135.09,122.96 135.08,122.97
+5V: length 1118.8
  F.RO w0.1: v1(111.17,93.75) 111.16,93.75
  F.RO w0.25: U91.2 77.49,112.17 C401.1 ; v1(96.58,96.55) 96.56,96.57 96.56,96.58 ; U71.2 47.07,96.44 v1(47.07,95.31)
  F.RO w0.3: v1(113.5,95.31) 113.51,95.32 U72.2 ; v1(79.64,112.89) 79.08,113.45 C401.1 ; 88.06,113.92 89.54,113.92 v1(89.54,113.92) ; U71.2 47.08,95.32 ; 143.92,112.17 143.92,113.45 143.92,114.3
  F.RO w0.4: v2(13.89,98.35) C625.1 ; U73.23 U73.24 ; v1(143.93,114.3) v1(143.93,113.45)
  F.RO w0.5: C526.1 47.07,94.53 v1(47.07,95.31) ; C575.1 113.5,94.53 v1(113.5,95.31) ; C575.1 113.5,94.51 ; C575.1 113.5,94.51 ; v2(25.18,135.61) 25.2,135.63 v2(25.77,135.63) R55.1 ; C624.1 13.85,103.49 FB57.1 ; 113.5,94.51 113.5,94.25 113.5,94.51 ; v1(85.34,72.08) 85.34,72.09 ; C402.1 C401.1 ; 13.85,98.41 C625.1 13.9,99.4 FB58.1 ; v1(143.93,114.3) v1(143.93,113.45)
  F.RO w0.79: v2(78.04,24.59) 78.06,24.59 ; v2(78.04,25.09) 78.06,25.09 ; v2(41,20) v2(41,20.73)
  F.RO w1: v2(25.77,135.63) 25.75,135.61 v2(25.18,135.61) v2(25.18,135.03) 25.18,127.54 24.32,126.68 24.32,123.93 23.01,122.62 22.22,122.62 ; 19.53,121.89 19.53,120.82 19.16,120.45 JP2.1 ; 19.53,121.89 20.26,122.62 ; 19.53,121.89 20.26,122.62 ; 22.22,122.62 20.26,122.62 ; 22.22,122.62 20.26,122.62 ; v2(17,120.41) JP2.1 ; JP2.1 18.06,120.45 v2(18.09,120.41) ; JP2.1 16.03,120.45 v2(15.99,120.41) ; v2(10.52,120.42) v2(11.77,120.42) v2(10.52,120.42) ; v2(10.52,120.42) v2(9.26,120.42) ; 13.85,103.98 v2(12.51,105.32) ; 13.85,103.98 13.85,103.94 v2(13.85,103.94) 13.85,103.98 v2(12.51,105.32) ; 13.85,103.98 C624.1 13.85,103.49 FB57.1 13.87,103.96 12.03,105.79 v2(12.51,105.32) ; 22.12,81.83 22.12,81.85 22.12,81.58 22.97,80.73 ; 22.97,80.73 23.11,80.59 ; 22.97,80.73 v1(24.75,78.95) ; v1(24.75,78.95) 24.75,78.95 24.75,78.95 v1(24.75,78.95) ; v1(24.75,78.95) v1(25.48,78.22) 26.22,77.48 v2(26.22,71.84) v2(26.22,70.93) v2(26.22,70.2) ; v1(24.75,78.95) 23.98,79.72 v1(23.96,79.72) ; C625.1 13.9,100.23
  F.FR4 w0.25: 85.46,113.6 84.87,113.01 84.14,113.01 83.7,113.45 83.47,113.45 82.49,112.47 80.82,112.47 80.4,112.89 v1(79.64,112.89)
  F.FR4 w0.3: 90.75,113.17 90.01,113.92 87.17,113.92 ; 85.46,113.6 86.86,113.6 87.17,113.92 ; 87.17,113.92 87.18,113.92 v1(89.54,113.92)
  F.FR4 w0.4: 49.06,21.59 48.81,21.84 46.36,21.84 45.86,21.34 ; 33.32,95.31 33.33,95.31 34.58,95.31 ; 34.58,95.31 40.01,95.31 40.38,94.94 44.6,94.94 44.97,95.31 ; 34.58,95.31 16.94,95.31 v2(13.89,98.35) ; 46.06,72.64 46.39,72.97 47.58,72.97 ; 112.6,95.71 113,95.31 v1(113.5,95.31) ; 138.13,85.61 138.09,85.65 ; 120.49,87.51 121.29,87.51 ; 120.49,87.51 121.29,87.51 ; 120.49,87.51 118.72,85.74 118.01,85.74 117.78,85.97 114.53,85.97 113.98,85.42 113.04,85.42 ; 121.29,87.51 121.73,87.07 129.97,87.07 130.52,87.62 134.76,87.62 134.93,87.45 ; 134.93,87.45 134.97,87.45 ; 134.93,87.45 136.46,87.45 137.21,88.2 ; 137.21,88.2 137.1,88.09 137.21,88.09 ; 137.21,88.2 142.86,88.2 143.98,89.32 144.68,89.32 ; 144.68,89.32 145.25,89.32 ; 144.68,89.32 144.76,89.32 145.26,88.82 ; 44.97,95.31 v1(47.07,95.31) 44.97,95.31 ; v1(145.23,88.82) v1(145.23,89.32) ; v2(11.56,25.02) 11.56,24.43